# Allegro board pc065a_toplevel_43_allrouted.brd (continued)
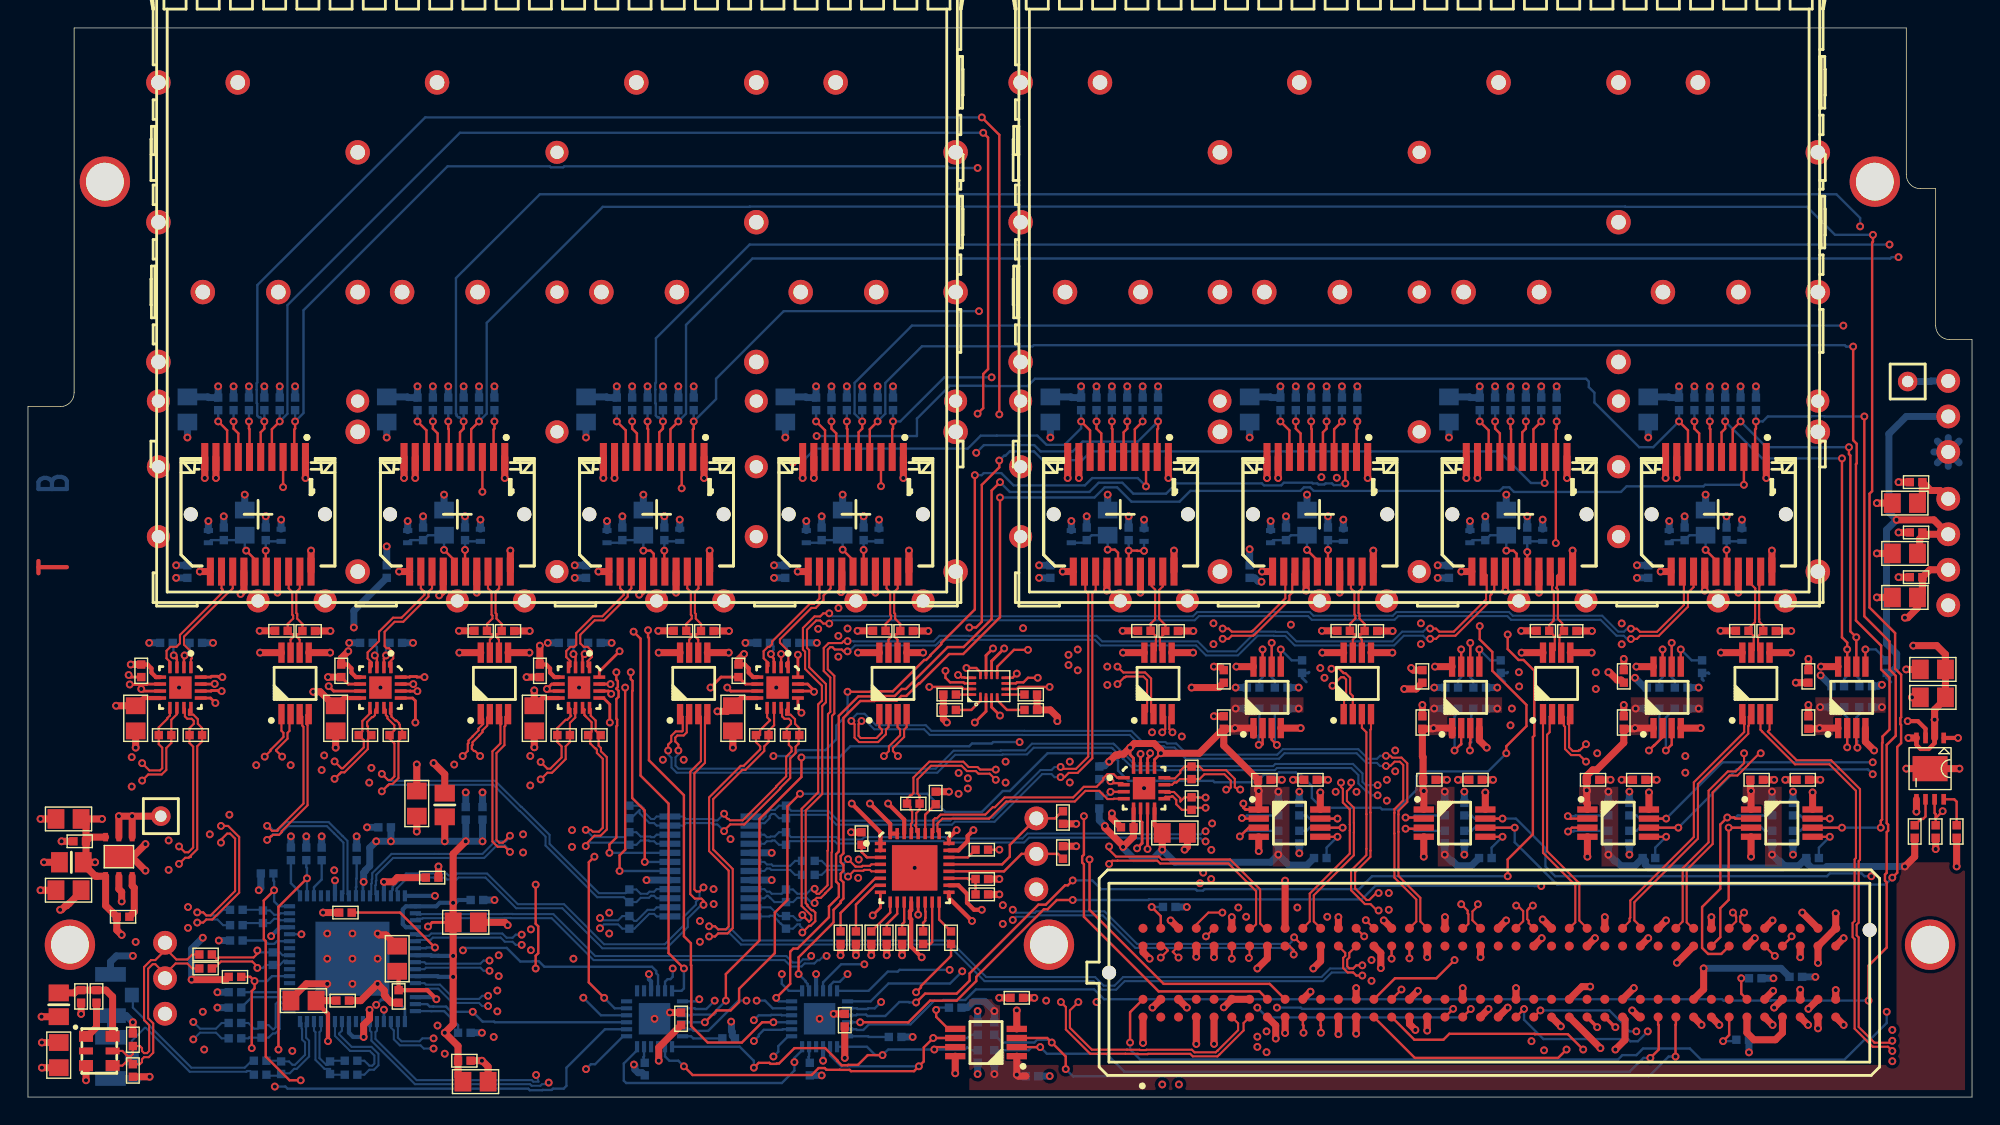
[diagram p0: board, top side]
## Routing (per net, layer and track width the routed paths; a pad name or vN(x,y) marks a point on that pad's centre or on a via; arc(x,y) is an arc through that point) (continued)
  BOTTOM w0.3: IC23.9 44.55,8.28 44.4,8.43 v1(44.4,8.8) ; IC10.9 v1(56.35,8.8)
  BOTTOM w0.5: C65.1 v1(101.6,47.2) ; R32.1 v1(56.75,1.55) ; C72.1 v1(91.45,43.1) ; C42.1 v1(31.25,41.55) ; R12.1 v1(21,18.65) ; C47.1 v1(45.5,41.55) ; v1(43.33,2.33) 43.39,2.26 43.39,1.98 43.63,1.74 43.91,1.74 R181.1 ; R184.1 v1(123.05,3.2) ; C49.1 v1(42.5,41.55) ; C79.1 v1(73.05,1.5) ; C43.1 v1(29.75,43.1) ; C46.1 v1(39.9,47.2) ; C41.1 v1(25.65,47.2) ; C48.1 v1(44,43.1) ; C45.1 v1(39.1,38.05) ; C63.1 v1(118.45,41.55) ; PX2.3 5.9,9.68 6.32,10.1 v1(7.5,10.1) ; C59.1 v1(115.05,38.05) ; C62.1 v1(119.95,43.1) ; 51.7,17.48 v1(53.17,17.48) ; R10.1 v1(13.65,11.2) ; C32.1 v1(11.4,47.2) ; C33.1 v1(17,41.55) ; C75.1 v1(73.1,47.2) ; v1(7.5,5.35) 7.03,5.83 PX2.2 PX1.3 ; C51.1 v1(54.15,47.2) ; C68.1 v1(104.2,41.55) ; R19.1 v1(23.5,18.65) ; C76.1 v1(78.7,41.55) ; R21.1 v1(13.55,7.5) ; C11.1 v1(31.3,21.8) ; C71.1 v1(92.95,41.55) ; C74.1 v1(72.3,38.05) ; C64.1 v1(100.8,38.05) ; R11.1 v1(18.8,18.65) ; C13.1 v1(24.25,19.3) ; C69.1 v1(87.35,39.2) ; C70.1 v1(87.35,47.2) ; R185.1 v1(124.8,8.5) ; R20.1 v1(13.55,6.4) ; C52.1 v1(59.75,41.55) ; C61.1 v1(121.45,41.55) ; C40.1 v1(25.65,39.4) ; C78.1 v1(75.7,41.55) ; C31.1 v1(10.6,38.05) ; PX1.2 7.89,1.33 8.02,1.45 v1(8.7,1.45) ; C60.1 v1(115.85,47.2) ; C34.1 v1(15.5,43.1) ; C54.1 v1(56.75,41.55) ; R30.1 v1(82.85,13.6) ; C50.1 v1(53.35,38.05) ; C53.1 v1(58.25,43.1) ; C77.1 v1(77.2,43.1) ; C14.1 v1(32.5,21.8) ; C67.1 v1(105.7,43.1) ; C44.1 v1(28.25,41.55) ; C66.1 v1(107.2,41.55) ; R18.1 v1(32.45,4.6) ; C35.1 v1(14,41.55) ; R31.1 v1(63.25,4.3) ; C73.1 v1(89.95,41.55) ; C9.1 v1(33.35,14.1)
  vias: v1(7.42,24.32) v1(7.42,22.22) v1(10.06,18.36) v1(10.06,16.26) v1(11.44,13.6) v1(11.44,12.11) v1(12.5,6.1) v1(12.6,3.4) v1(13,18.8) v1(14.4,20.2) v1(16.32,23.75) v1(18.78,23.75) v1(21,23.4) v1(21.18,24.45) v1(21.4,11.7) v1(21.4,9.9) v1(23.2,11.7) v1(23.2,9.9) v1(23.2,8.1) v1(24.4,22.5) v1(24.56,23.55) v1(25,9.9) v1(25.2,29.3) v1(29.28,5.12) v1(29.8,3.1) v1(30.48,23.79) v1(33.56,7.62) v1(33.56,6.13) v1(33.66,10.15) v1(33.66,8.66) v1(35.4,18.8) v1(35.4,17.5) v1(35.91,24.4) v1(35.91,22.3) v1(35.96,12) v1(35.96,10.51) v1(38.9,19.1) v1(38.9,17.9) v1(39.4,29.3) v1(41.56,13.19) v1(41.56,11.7) v1(44.8,5.6) v1(45.39,24.14) v1(46.88,24.14) v1(48.04,12.6) v1(48.04,11.11) v1(49.02,14.88) v1(49.03,13.81) v1(50.23,18.46) v1(56.5,33.5) v1(56.6,5.6) v1(57.95,34.99) v1(57.94,33) v1(57.94,31.51) v1(59.4,17) v1(59.36,15.68) v1(63.4,16.4) v1(66.54,23.19) v1(66.54,21.7) v1(69.7,13.73) v1(69.7,12.39) v1(69.9,24) v1(69.9,22.5) v1(72.8,6.9) v1(74.49,24) v1(74.49,22.51) v1(75.06,32.03) v1(75.06,30.54) v1(76.4,6.8) v1(77.17,30.8) v1(77.17,29.49) v1(79.8,22.1) v1(80.37,26.1) v1(82.5,25.8) v1(84.61,17.69) v1(84.6,15.6) v1(84.67,19.58) v1(84.76,33.9) v1(84.76,32.41) v1(88.56,4.7) v1(88.56,3.21) v1(92.4,30.7) v1(92.7,30) v1(93.5,21.84) v1(94.99,21.84) v1(96.06,9.8) v1(96.06,8.31) v1(97.16,22.7) v1(97.16,21.21) v1(97.3,14.6) v1(97.3,13.4) v1(97.76,24.8) v1(97.76,23.31) v1(99.59,33.9) v1(99.59,32.41) v1(112.2,24.6) v1(113.95,33.89) v1(113.95,32.4) v1(133.3,4.8) v1(133.3,2.56)
P1V3: length 36.3
  TOP w0.3: U11.4 135.03,25.2 135.33,24.9 135.9,24.9 136.32,25.33 U11.2 ; C99.2 136.32,27.83
  TOP w0.5: J40.2 135.98,37.73 C36.2 135.45,36.1 C37.2 135.1,35 134.4,34.3 v1(134.2,34.3) ; R99.2 v1(121.02,33.36) ; R107.2 v1(106.77,33.36) ; R42.2 v1(45.07,33.36) ; v1(134.8,32.3) 136.48,32.3 137.1,31.68 C100.2 C99.2 137.1,28.5 136.32,27.73 v1(136.32,27) U11.2 ; R123.2 v1(78.27,33.36) ; R51.2 v1(64.37,33.35) ; R115.2 v1(92.52,33.36) ; R50.2 v1(59.32,33.36) ; R22.2 v1(16.57,33.36) ; R35.2 v1(35.87,33.35) ; R34.2 v1(30.82,33.36) ; R43.2 v1(50.12,33.35) ; R108.2 v1(111.82,33.35) ; R100.2 v1(126.07,33.35) ; R116.2 v1(97.57,33.35) ; R23.2 v1(21.62,33.35) ; R124.2 v1(83.32,33.35) ; U11.4 v1(134.45,25.7)
P1V8A: length 27.5
  TOP w0.3: v1(29.2,7) 28.55,7.65 C18.2 26.5,8.62 26.4,8.72 C16.2 ; v1(21.45,4) 21.45,5.95 20.6,6.8 C19.2
  TOP w0.5: v1(7.45,20.1) TP1.1 ; v1(7.45,20.1) v1(6.5,20.1) U2.5 ; v1(7.45,20.1) U2.4 ; C20.2 C19.2
  L5 w0.5: 9.5,19.22 TP1.1 ; TP1.1 10.17,20.77 ; TP1.1 8.83,20.77 ; TP1.1 10.38,20.1 ; TP1.1 10.17,19.43 ; TP1.1 8.62,20.1 ; TP1.1 8.83,19.43 ; TP1.1 9.5,20.98
  BOTTOM w0.3: IC3.60 v1(21.45,4) ; IC3.46 29.05,7.15 v1(29.2,7) ; v1(29.1,14.4) IC3.32
P2V5: length 204.8
  TOP w0.2: v1(55.3,27.5) 55.05,27.75 IC7.13 ; v1(41.6,26.8) 41.6,28.1 41.15,28.55 IC6.13 ; v1(13.9,30.05) 13.63,30.05 13.57,30.11 13.13,30.11 13.07,30.05 IC4.16 ; v1(13.4,28.2) 13.05,28.55 IC4.13 ; IC21.3 68.9,27.9 v1(69.5,27.3) ; v1(86.9,21) 86.9,20.72 87.05,20.58 88,20.58 ; v1(42.3,31.9) 40.85,30.45 IC6.16 ; v1(28.35,30.05) 27.81,30.05 27.77,30.09 27.33,30.09 27.29,30.05 IC5.16 ; IC13.16 79.05,24.24 78.8,24.49 v1(78.8,25) ; v1(81,24.6) 80.55,24.15 IC13.13 ; IC7.16 v1(55.05,31.65) ; v1(27.7,26.8) 27.7,28.35 27.5,28.55 IC5.13
  TOP w0.3: IC6.5 37.65,30.05 37.33,30.37 37.33,30.67 37.05,30.95 C106.2 ; IC13.8 80.55,19.45 C111.2 ; C103.2 8.25,28.55 IC4.8 ; IC7.5 51.85,30.05 51.53,30.37 51.53,30.67 51.25,30.95 C108.2 ; C102.2 8.55,30.95 8.83,30.67 8.83,30.37 9.15,30.05 IC4.5 ; IC6.8 36.75,28.55 C107.2 ; C109.2 50.95,28.55 IC7.8 ; IC5.5 23.45,30.05 23.13,30.37 23.13,30.67 22.85,30.95 C104.2 ; IC5.8 22.55,28.55 C105.2 ; IC13.5 C110.2
  TOP w0.5: 87.95,21.95 C81.2 85.5,25.15 C89.2 ; 87.95,21.95 87.9,22 ; 87.95,21.95 v1(88,21.9) 88,20.58 ; 116.22,26.4 v1(114.9,26.4) 114.85,26.35 C93.2 114.1,25.35 112.16,23.41 111.88,23.41 111.45,22.98 C85.2 v1(111.45,21.95) ; v1(77,19.4) 77,19.27 78.3,17.97 v1(78.3,17.9) 79.05,18.65 C110.2 ; v1(51.2,31.7) 50.8,31.3 C108.2 ; 111.5,21.9 v1(111.45,21.95) ; v1(111.45,21.95) 111.45,21.06 111.5,21.01 111.5,20.58 ; C103.2 v1(6.3,28) ; R183.1 134.9,17.2 v1(134.2,16.5) ; C109.2 50,27.6 v1(49.29,27.6) ; C106.2 v1(36.6,32.3) ; 135.58,40.27 J40.3 136.27,41.3 v1(133.6,41.3) ; 135.58,40.27 135.26,39.95 135.26,39.06 C39.2 ; 135.58,40.27 C38.2 ; 101.83,25.9 IC18.1 v1(100.5,26.4) 100.45,26.35 C91.2 99.7,24.38 99.75,24.33 C83.2 99.75,21.95 v1(99.8,21.9) 99.8,20.58 ; 129.43,26.4 v1(128.1,26.4) 128.05,26.35 C95.2 ; C105.2 21.9,28 20.9,29 v1(20.4,29) ; C89.2 83.75,24.6 v1(81,24.6) 81,24.82 80.52,25.3 79.1,25.3 v1(78.8,25) 78.34,24.54 78.04,24.54 77.96,24.46 77.77,24.46 v1(77.3,24) ; C89.2 86.25,26.35 v1(86.3,26.4) IC17.1 87.62,25.9 ; C87.2 123.15,21.95 v1(123.2,21.9) 123.2,20.58 ; IC11.1 v1(70.7,1.6) 70.8,1.5 C79.2 ; C111.2 v1(81.1,17.7) ; C102.2 v1(7.35,30.95) ; C107.2 v1(36.2,29.1) ; C104.2 22.4,31.4 v1(22.9,31.9)
  BOTTOM w0.2: 119.8,29.8 119.7,29.9 R168.1 120.15,30.35 120.2,30.3 ; 91.4,29.7 91.1,30 R158.1 91.55,30.35 91.6,30.4 ; 133.2,29.7 132.9,30 R173.1 ; 105.6,29.7 105.3,30 R163.1 105.75,30.35 105.8,30.4
  BOTTOM w0.5: v1(78.3,17.9) 78.3,17.82 79.06,17.06 80.46,17.06 v1(81.1,17.7) 82,16.8 88.85,16.8 v1(89.4,17.35) ; R142.2 v1(101.3,21.85) ; J39.2 134.3,48.7 133.06,47.46 133.06,41.84 v1(133.6,41.3) 132.89,40.59 132.89,32.44 133.61,31.72 133.61,30.78 133.18,30.35 R173.1 ; v1(89.4,17.35) 90.15,16.6 91.45,16.6 R138.1 ; v1(89.4,17.35) R136.2 ; R162.2 v1(100.55,27.8) ; R58.1 v1(13.23,32.5) ; R133.1 67.17,6.4 67.61,6.84 68.41,6.84 v1(69.1,6.15) R131.2 ; R171.2 v1(132.56,27.9) ; R96.1 76.6,19.8 v1(77,19.4) ; R147.2 v1(113,21.85) ; C79.2 70.8,1.5 v1(70.7,1.6) ; R161.2 v1(105.05,27.8) ; R141.2 v1(101.3,17.35) 101.76,16.88 101.86,16.88 102.19,16.55 103.2,16.55 R143.1 ; v1(77.3,24) 77.28,24 76.98,23.7 76.66,23.7 R95.1 ; R166.2 v1(119.45,27.8) ; R152.2 v1(124.7,21.85) ; R137.2 v1(89.4,21.85) ; R67.1 v1(37.17,32.5) ; 125.59,16.55 126.6,16.55 R153.1 127.2,17.05 127.2,16.74 127.55,16.39 128.52,16.39 128.63,16.5 v1(134.2,16.5) ; 125.59,16.55 125.26,16.88 125.16,16.88 v1(124.7,17.35) R151.2 ; 125.59,16.55 125.43,16.39 115.88,16.39 115.64,16.63 115.64,16.91 R148.1 114.9,16.55 113.89,16.55 113.56,16.88 113.46,16.88 v1(113,17.35) R146.2 ; R172.2 v1(128.15,27.9) ; R62.1 v1(27.53,32.5) ; R66.1 v1(41.73,32.5) ; R59.1 v1(8.67,32.5) ; R157.2 v1(86.35,27.8) ; R70.1 v1(56.4,32.5) ; R71.1 v1(51.3,32.5) ; R156.2 v1(90.85,27.8) ; R132.2 v1(69.1,1.65) ; R63.1 v1(22.97,32.5) ; R167.2 v1(114.95,27.8)
P3V3: length 190.3
  TOP w0.2: v1(67.7,26.8) 68.5,27.6 IC21.2
  TOP w0.3: IC9.12 63.15,13.38 63.06,13.29 63.06,12.81 63.15,12.72 63.15,10.75 v1(63.9,10) ; IC9.2 IC9.1 60.95,18.95 v1(58.9,21) ; v1(66.4,19.1) 65.85,18.55 IC9.24 ; U11.1 v1(138,25.7) ; v1(60.2,21) 61.65,19.55 IC9.32 IC9.31 ; IC9.18 66.53,15.15 67.14,14.54 67.14,13.9 67.64,13.4 v1(68.2,13.4)
  TOP w0.5: v1(83.2,29.3) 85.15,29.3 C90.2 ; U9.8 v1(92.55,31.8) ; U4.8 v1(30.85,31.8) ; U5.8 v1(45.1,31.8) ; C98.2 45.1,3.55 v1(45.1,2.6) ; 127.6,20.58 v1(127.6,21.8) ; v1(73.6,26.9) 73.6,27.2 73.1,27.7 R176.2 R178.2 ; C97.2 v1(58.4,2.8) ; U7.8 v1(121.05,31.8) ; J10.C39 v1(127.98,4.92) ; R82.1 v1(69.45,15.6) ; U10.8 v1(78.3,31.8) ; 129.25,7 v1(129.25,7.66) ; v1(113,30.4) 113.07,30.4 113.63,29.84 113.91,29.84 C94.2 ; 129.43,30.8 v1(128.2,30.8) ; C82.2 v1(90.45,22.7) ; C80.2 v1(69.45,7.1) ; 124.17,7 v1(124.78,7.6) ; 126.72,7 v1(126.72,7.69) ; R93.2 v1(74.95,19.55) ; C2.2 135.45,42.85 C1.2 136.05,43.4 136.71,43.4 J40.4 ; IC18.8 v1(100.6,30.8) ; L3.1 v1(0.97,5.75) ; IC17.8 v1(86.4,30.8) ; 104.2,20.58 v1(104.2,21.8) ; v1(29,23.9) 29.8,23.1 L2.1 ; L1.1 v1(1.15,16.8) ; C96.2 v1(126.4,29.65) ; v1(98.4,29.2) 99.25,29.2 C92.2 ; U8.8 v1(106.8,31.8) ; R182.1 v1(136.4,17.75) ; C84.2 v1(102.25,22.7) ; C88.2 v1(125.65,22.7) ; 92.4,20.58 v1(92.4,21.8) ; C3.2 v1(27.8,23.8) ; U6.8 v1(59.35,31.8) ; C6.2 v1(1,3.9) ; 18.12,31.8 v1(16.6,31.8) ; 115.9,20.58 v1(115.9,21.8) ; R84.1 v1(61.4,10.15) ; U11.5 v1(135.03,20.42) ; C86.2 v1(113.95,22.7) ; C4.2 v1(0.9,14.8) ; 116.22,30.8 v1(115,30.8) ; R94.2 v1(74.95,17.95) ; IC11.8 v1(66.3,1.7)
  L5 w0.5: 136.27,42.81 J40.4 ; J40.4 138.08,43.59 ; J40.4 137.3,41.78 ; J40.4 136.52,43.59 ; J40.4 136.52,42.03 ; J40.4 137.3,43.84 ; J40.4 138.08,42.03
  BOTTOM w0.3: v1(45.1,2.6) 45.05,2.65 IC23.21 ; IC10.21 v1(56.85,2.6)
  BOTTOM w0.5: R127.2 v1(77.5,50.85) ; L18.1 v1(79.8,41.32) ; R26.2 v1(15.8,50.85) ; v1(114.9,30) 115.6,29.3 R170.2 ; C32.2 12.87,50.1 12.92,50.05 R25.1 v1(13.6,50.85) ; R36.1 v1(33.35,50.85) ; R129.2 v1(79.7,50.85) ; v1(50.28,5.4) 50.3,5.37 50.3,4.73 50.36,4.67 50.36,4.39 R180.1 ; L4.1 v1(18.1,41.32) ; R55.2 v1(59.65,50.85) ; v1(132.56,29.5) 132.4,29.5 132.3,29.4 R174.2 ; R175.2 v1(128.18,30.17) ; R27.2 v1(16.9,50.85) ; R40.2 v1(32.25,50.85) ; IC8.5 v1(44.23,15.53) ; R54.2 v1(58.55,50.85) ; C40.2 23.3,34.8 v1(23.3,33.6) ; 12.9,40.54 v1(12.9,41.22) ; v1(27.85,50.85) R37.1 27.17,50.05 27.12,50.1 C41.2 ; R33.2 v1(127.8,8.6) ; R105.2 v1(122.45,50.85) ; 103.1,40.54 v1(103.1,41.22) ; R39.2 v1(31.15,50.85) ; R121.2 v1(93.95,50.85) ; R119.2 v1(91.75,50.85) ; C31.2 v1(10.6,37.15) ; C51.2 55.62,50.1 55.67,50.05 R53.1 v1(56.35,50.85) ; R38.2 v1(30.05,50.85) ; R149.2 v1(114.5,17.35) ; R109.1 v1(109.3,50.85) ; 27.15,40.54 v1(27.15,41.22) ; C60.2 117.32,50.1 117.37,50.05 R102.1 v1(118.05,50.85) ; R130.2 v1(76.4,50.85) ; 74.6,40.54 v1(74.6,41.22) ; R101.1 v1(123.55,50.85) ; R139.2 v1(90.9,17.44) ; R52.1 v1(61.85,50.85) ; v1(103.8,50.85) R110.1 103.12,50.05 103.07,50.1 C65.2 ; v1(42.1,50.85) R45.1 41.42,50.05 41.37,50.1 C46.2 ; R48.2 v1(46.5,50.85) ; R144.2 v1(102.7,17.35) ; R122.2 v1(90.65,50.85) ; C64.2 v1(100.8,37.15) ; L8.1 v1(46.6,41.32) ; L6.1 v1(32.35,41.32) ; R47.2 v1(45.4,50.85) ; R155.2 v1(126.2,21.85) ; R112.2 v1(107.1,50.85) ; R106.2 v1(119.15,50.85) ; R154.2 v1(126.2,17.35) ; C75.2 74.57,50.1 74.62,50.05 R126.1 v1(75.3,50.85) ; R28.2 v1(18,50.85) ; R159.2 v1(90.85,29.3) ; 55.65,40.54 v1(55.65,41.22) ; R29.2 v1(14.7,50.85) ; L12.1 v1(122.55,41.32) ; L10.1 v1(60.85,41.32) ; R46.2 v1(44.3,50.85) ; R41.2 v1(28.95,50.85) ; R114.2 v1(104.9,50.85) ; R117.1 v1(95.05,50.85) ; R160.2 v1(86.35,29.3) ; R125.1 v1(80.8,50.85) ; R103.2 v1(120.25,50.85) ; IC8.20 v1(53.17,15.53) ; v1(89.55,50.85) R118.1 88.87,50.05 88.82,50.1 C70.2 ; C74.2 v1(72.3,37.15) ; R145.2 v1(102.7,21.85) ; R134.2 v1(67.9,6.15) ; R56.2 v1(60.75,50.85) ; C50.2 v1(53.35,37.15) ; L16.1 v1(94.05,41.32) ; R150.2 v1(114.5,21.85) ; R24.1 v1(19.1,50.85) ; R165.2 v1(100.55,29.3) ; R128.2 v1(78.6,50.85) ; R120.2 v1(92.85,50.85) ; R164.2 v1(105.05,29.3) ; R49.2 v1(43.2,50.85) ; R44.1 v1(47.6,50.85) ; v1(88.2,36.87) 88.16,36.91 87.95,36.91 87.71,37.15 C69.2 ; 117.35,40.54 v1(117.35,41.22) ; R113.2 v1(108.2,50.85) ; R111.2 v1(106,50.85) ; R104.2 v1(121.35,50.85) ; R140.2 v1(90.9,21.85) ; R57.2 v1(57.45,50.85) ; 41.4,40.54 v1(41.4,41.22) ; L14.1 v1(108.3,41.32) ; R169.2 v1(119.45,29.3) ; C59.2 v1(115.05,37.15) ; C45.2 v1(39.1,37.15) ; R135.2 v1(67.9,1.65) ; 88.85,40.54 v1(88.85,41.22)
P3V3A: length 24.8
  TOP w0.5: R9.1 14.15,8.4 v1(11.7,8.4) ; C5.2 4.15,17 L1.2 ; C5.2 4.45,18.6 U2.6 ; C5.2 4.15,19.55 C8.2 v1(5.3,19.9) ; L1.2 v1(4.8,16.8) ; L1.2 3.95,16.68 4.82,15.81 4.94,15.81 4.95,15.8 U2.1 5.55,13.7 R2.1 6.35,11.95 v1(6.7,11.6) ; R6.1 v1(21.1,13.2)
  BOTTOM w0.3: v1(17.39,11.51) 18.02,12.15 IC3.13
  BOTTOM w0.5: v1(12.5,11.4) 11.7,10.6 v1(11.7,8.4) ; R8.1 v1(19.9,18.65) ; R7.1 16.65,14.95 v1(16.5,14.8)
P3V3B: length 64.2
  TOP w0.2: C12.2 28.9,12.5 v1(28.6,12.2)
  TOP w0.5: C7.2 26.41,15.7 26.11,15.4 v1(25.45,15.4) ; v1(24,4.3) 24,5.16 24.42,5.58 v1(24.42,6.24) ; L2.2 v1(29.8,18.3) ; v1(31.3,18.3) 30.4,17.4 v1(30.4,13.9) C12.2 v1(30.4,10.1) v1(30.4,8.6) 30.4,5.2 v1(29.8,4.6) 30.75,3.65 C15.2 30.75,1.45 C17.2
  BOTTOM w0.2: IC3.49 26.95,6.3 26.29,6.96 25.26,6.96 v1(24.9,6.6) ; v1(24,15.4) 23.95,15.35 IC3.26 ; IC3.52 v1(25.45,6.25)
  BOTTOM w0.3: IC3.57 22.95,4.6 23.25,4.3 v1(24,4.3) ; v1(30.4,10.1) 29.35,10.1 29.34,10.11 28.86,10.11 28.82,10.15 IC3.40 ; v1(25.45,15.4) IC3.29 ; IC3.43 29.29,8.65 29.34,8.6 v1(30.4,8.6) ; IC3.22 v1(21.95,15.5) ; C9.2 30.76,14.1 30.56,13.9 v1(30.4,13.9) 29.44,13.9 29.19,13.65 IC3.33 27.02,13.65 26.8,13.43 26.8,12.37 27.02,12.15 IC3.36
  BOTTOM w0.5: v1(25.95,18.3) v1(24.9,18.3) 24.44,17.84 24.44,16.53 24.13,16.23 24.13,16.19 24,16.06 v1(24,15.4) ; v1(25.95,18.3) C13.2 ; v1(25.95,18.3) v1(29.8,18.3) v1(31.3,18.3) ; C11.2 v1(31.3,18.3) ; v1(31.3,18.3) v1(32.5,18.3) C14.2
P3V3C: length 7
  TOP w0.5: L3.2 3.32,7.45 3.52,7.65 C10.2 R3.1 5.58,7.65 6.05,7.18 QZ1.6
P12V: length 5.2
  TOP w0.5: J10.C35 122.91,4.6 123.41,4.1 124.94,4.1 125.44,4.6 J10.C37
3P3VAUX: length 8.9
  TOP w0.5: 119.09,7 119.81,7.71 v1(119.81,9.21)
  BOTTOM w0.5: v1(119.81,9.21) 125.34,9.21 R33.1
CDR_CLK_N: length 15.3
  TOP w0.15: IC9.25 65.13,18.87 65.13,18.9 65.03,19.01 65.03,19.57 65.38,19.92 68.72,19.92 69.95,21.15 74.85,21.15 75.61,21.91 76.6,21.91 77.19,21.32 77.61,21.32 77.64,21.35 IC13.4
CDR_CLK_P: length 16.2
  TOP w0.15: IC13.1 77.88,22.85 77.61,23.12 77.19,23.12 76.89,22.81 76.89,22.68 76.41,22.2 75.49,22.2 74.73,21.44 69.83,21.44 69.13,20.74 68.98,20.74 68.45,20.21 65.26,20.21 65,19.95 64.85,19.95 64.74,19.84 64.74,18.94 IC9.26
CDR_D_N: length 49.7
  TOP w0.15: IC9.28 63.51,18.99 63.51,19.35 63.42,19.43 63.51,19.52 63.51,20.32 63.75,20.56 R92.2 63.75,21.56 63.6,21.71 63.6,22.74 64.57,23.7 66.76,23.7 67.14,23.33 67.77,23.33 67.96,23.14 68.76,23.14 v1(69.2,22.7) ; v1(73.85,6.8) 74.21,6.44 74.21,4.83 75.94,3.1 78.46,3.1 78.47,3.1 79.37,3.1 79.39,3.07 80.06,3.07 80.08,3.1 83.1,3.1 83.29,2.91 85.05,2.91 85.17,3.03 85.18,3.03 86.92,4.77 86.92,5.3 87.34,5.73
  L4 w0.15: v1(69.2,22.7) 69.2,22.7 69.62,23.12 72.04,23.12 73.39,21.77 73.39,18.14 75.15,16.38 75.15,16.35 75.17,16.32 75.17,16.29 75.68,15.78 75.68,9.12 74.27,7.71 74.27,7.21 v1(73.85,6.8)
CDR_D_P: length 49.7
  TOP w0.15: 86.08,5.73 86.52,5.28 86.52,4.78 85.06,3.32 85.05,3.32 84.93,3.2 83.41,3.2 83.22,3.39 79.96,3.39 79.94,3.36 79.51,3.36 79.49,3.39 78.59,3.39 78.58,3.39 76.06,3.39 74.5,4.95 74.5,6.2 v1(75.1,6.8) ; IC9.29 63.22,18.92 63.22,19.23 63.13,19.31 63.13,19.55 63.22,19.64 63.22,20.44 63.1,20.56 63.1,20.75 R92.1 62.85,21.35 63.09,21.59 63.09,21.59 63.16,21.59 63.31,21.74 63.31,22.86 64.45,24 66.88,24 67.26,23.62 67.89,23.62 68.08,23.43 v1(69.2,23.43)
  L4 w0.15: v1(75.1,6.8) 74.6,7.3 74.6,7.6 75.99,8.99 75.99,15.91 75.48,16.42 75.48,16.45 75.46,16.48 75.46,16.51 73.7,18.27 73.7,21.9 72.17,23.43 v1(69.2,23.43)
CDR_IN_N: length 5.3
  TOP w0.15: IC9.5 60.3,16.15 60.2,16.26 59.79,16.26 59.73,16.2 59.05,16.2 v1(58.63,15.78)
  BOTTOM w0.15: v1(58.63,15.78) 58.16,16.26 57.11,16.26 56.75,15.9 C55.2
CDR_IN_P: length 5.3
  TOP w0.15: IC9.4 60.3,16.65 60.2,16.55 59.67,16.55 59.61,16.48 59.19,16.48 59.17,16.51 59.15,16.51 v1(58.63,17.02)
  BOTTOM w0.15: C56.2 56.75,16.9 57.11,16.55 58.16,16.55 v1(58.63,17.02)
CDR_LOL: length 32.2
  TOP w0.17: v1(63.5,7.5) 63.85,7.85 63.85,7.95 66,10.1 R91.2
  L3 w0.17: v1(63.5,7.5) 63.01,7.5 62.91,7.6 53.74,7.6 53.72,7.62 40.23,7.62 v1(39.71,7.11)
  BOTTOM w0.17: IC23.4 40.97,5.85 v1(39.71,7.11)
CDR_LOS: length 42.9
  TOP w0.17: v1(40.5,17.2) 40.1,16.8 40.1,8.2 v1(41.2,7.1) ; R89.1 v1(69.45,17.7)
  L3 w0.17: v1(40.5,17.2) 41.3,18 49.95,18 50.02,17.93 50.45,17.93 50.56,18.05 69.11,18.05 v1(69.45,17.7)
  BOTTOM w0.17: v1(41.2,7.1) 41.95,6.35 IC23.5
CLK_IN_N<0>: length 11.6
  BOTTOM w0.15: C22.2 16,2.6 15.5,2.1 11.69,2.1 8.3,5.49 8.3,5.6 7.5,6.4 7.5,7.23 PX2.1
CLK_IN_N<1>: length 89.4
  TOP w0.15: v1(87.3,9.95) 87.34,10 87.34,10.8
  L3 w0.15: v1(87.9,4.32) 87.47,4.32 87.26,4.11 85.99,4.11 85.4,4.7 83.94,4.7 83.88,4.76 83.19,4.76 83.13,4.7 79.17,4.7 79.14,4.73 73.04,4.73 72.94,4.83 72.26,4.83 72.13,4.7 65.74,4.7 65.39,5.05 64.05,5.05 63.82,5.28 60.6,5.28 60.57,5.25 60.51,5.25 60.11,4.85 60.07,4.85 59.64,4.42 53.57,4.42 53.5,4.49 53.29,4.49 52.96,4.81 52.36,4.81 52.33,4.83 44.77,4.83 44.38,5.22 33.51,5.22 33.18,5.55 32.13,5.55 32.09,5.51 32.01,5.51 31.96,5.46 31.58,5.46 31.23,5.81 29.76,5.81 29.63,5.94 28.94,5.94 28.81,5.81 26.67,5.81 26.37,5.51 20.51,5.51 19.91,4.91 12.31,4.91 12.27,4.96 12.23,4.96 v1(11.82,5.37)
  L4 w0.15: v1(87.3,9.95) 86.82,9.47 86.82,4.26 86.97,4.11 87.26,4.11 87.47,4.32 v1(87.9,4.32)
  BOTTOM w0.15: v1(11.82,5.37) 12.3,4.9 13.44,4.9 13.85,5.3 C24.2
CLK_IN_N<2>: length 87.7
  TOP w0.15: v1(12.1,13.21) 12.53,13.21 12.75,13 13.06,13 14.81,14.74 14.81,18.49 14.45,18.85 14.24,18.85 13.8,18.41 v1(13.8,18.21) ; IC13.9 81.25,21.41 81.33,21.49 81.77,21.49 81.82,21.54 82.1,21.26 82.1,20.95 82.5,20.55 R98.1 83.35,20.7 v1(84.2,20.7)
  L3 w0.15: v1(84.2,20.7) 83.72,20.7 83.52,20.9 72.71,20.9 72.51,21.1 71.69,21.1 71.14,20.55 62.25,20.55 61.85,20.15 54.05,20.15 53.39,20.81 49.55,20.81 48.85,20.11 24.51,20.11 24.49,20.14 17.05,20.14 15.64,18.73 13.95,18.73 13.8,18.58 v1(13.8,18.21)
  BOTTOM w0.15: C26.2 13.95,13.4 13.54,13 12.75,13 12.53,13.21 v1(12.1,13.21)
CLK_IN_N<3>: length 7
  BOTTOM w0.15: IC3.58 22.45,4.75 22.24,4.54 22.24,4.5 23.15,3.59 24.56,3.59 25.06,3.09 25.06,2.27 24.74,1.96 24.41,1.96 24.05,1.6 C28.2
CLK_IN_P<0>: length 11.8
  BOTTOM w0.15: PX1.1 7.42,4.03 8.35,4.95 8.42,4.95 11.57,1.81 15.62,1.81 15.67,1.86 15.89,1.86 C21.2
